# Altium PCB Digital_Optical.PcbDoc (part 2 of 3)
Units mm, origin at the board's own origin, x right, y up, seen from the top; angles counter-clockwise.
Board outline 155.98 x 100 mm, 2 copper layers (Top Layer, Bottom Layer); 402 components, 235 nets, 1241 pads, 390 vias.
Unrouted connection lines stored in the file: 44.
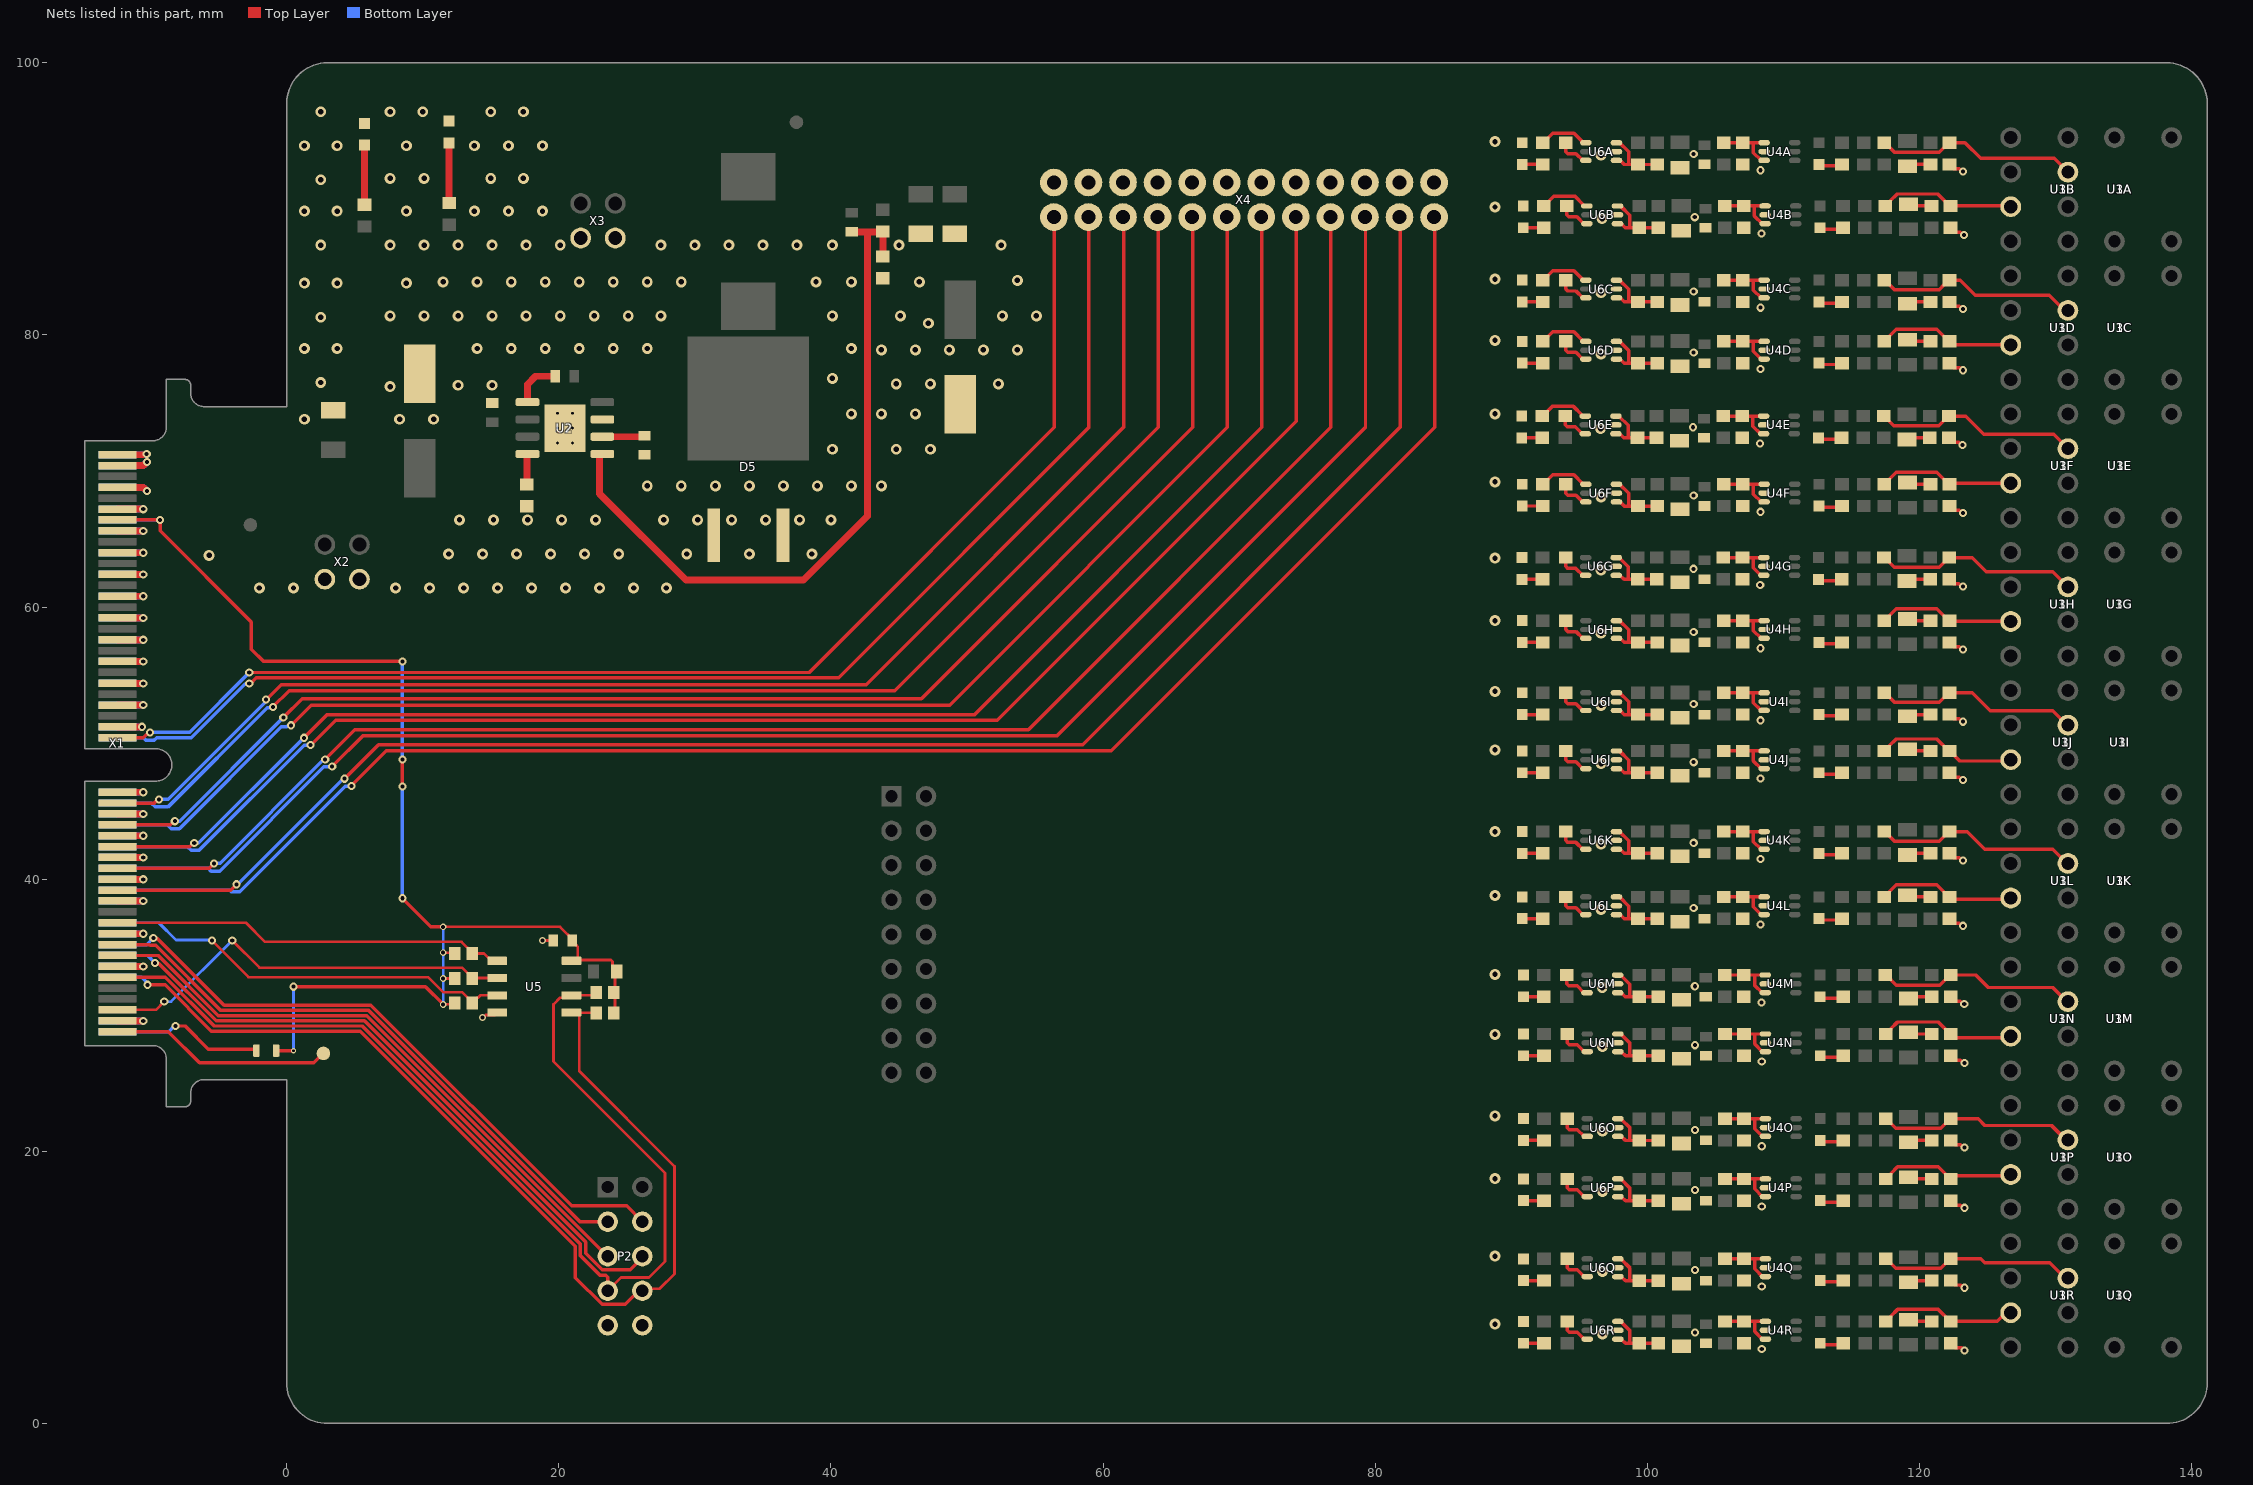
[diagram p2: the nets of this part, all layers, seen from the top]

## Part data
C1: library part C0603C104K9PACTU, "Capacitor 0603, 6.3 VDC, 100 nF, X5R", Device Package=0603, Manufacturer=KEMET, Operating Temperature="-55 - 85°C", Supplier Part Number 1=80-C0603C104K9P, Tolerance="10 %", Voltage Rating="6.3 VDC", Component Type="Capacitor 0603", ComponentLink1Description=Datasheet, ComponentLink1URL=https://www.mouser.de/datasheet/2/212/KEM_C1006_X5R_SMD-1103249.pdf, Created from=MGremer, Created On="20.12.2020 13:54:13", Last Updated="20.01.2021 13:57:36", Live Cycle Status=1, Manufacturer Part Number=C0603C104K9PACTU, Mounting Type=SMD, PartID=70, Series="SMD Comm X5R", Stock number="not stored", Supplier 1=Mouser, Type=Capacitor
C3 C5: library part C_ELKO_8x10, "ALUMINUM ELECTROLYTIC CAPACITOR", Dielectric=tbd, LCSC Part #=C311611, Package=8x10, Tolerance=20%, Voltage=35V, Created=2018_06_25_AGeiger, MPN=tbd, Supplier 1=tbd, Supplier Part Number 1=tbd
C4 C9A C9B C9C C9D C9E C9F C9G C9H C9I C9J C9K C9L C9M C9N C9O C9P C9Q C9R C13: library part C_0603, "CAP 0603 (1608 Metric) SMD", Case-EIA=0603, Case-Metric=1608, LCSC Part #=C14663, Rated Voltage="50 V", Tolerance=±5%, Created=2018_09_06_AGeiger, Max Thickness="1 mm", Package=0603, Technology=SMT
C6 C10 C12: library part C_1206, "Capacitor 1206", Dielectric=X5R, LCSC Part #=C13585, MPN=GMK316BJ106KL-T, Package=1206, Supplier Part Number 1=963-GMK316BJ106KL-T, Tolerance=10%, Voltage="35 V", Created=2018_06_25_AGeiger, MF="Taiyo Yuden", Supplier 1=Mouser
C7: library part C_0603, "CAP 0603 (1608 Metric) SMD", Case-EIA=0603, Case-Metric=1608, LCSC Part #=C57112, Rated Voltage="50 V", Tolerance=±5%, Created=2018_09_06_AGeiger, Max Thickness="1 mm", Package=0603, Technology=SMT
C8A C8B C8C C8D C8E C8F C8G C8H C8I C8J C8K C8L C8M C8N C8O C8P C8Q C8R: library part C_0805, "CAP 0805 (2012 Metric) SMD", Case-EIA=0805, Case-Metric=2012, Dielectric=X7R, LCSC Part #=C1779, MPN=LMF212B7475KGHT, Supplier Part Number 1=963-LMF212B7475KGHT, Tolerance=±10%, Voltage="10 V", Created=2018_09_06_AGeiger, Max Thickness="1 mm", MF="Taiyo Yuden", Package=0805, Supplier 1=Mouser, Technology=SMT
C11: library part C_0603, "CAP 0603 (1608 Metric) SMD", Case-EIA=0603, Case-Metric=1608, LCSC Part #=C1603, Rated Voltage="50 V", Tolerance=±5%, Created=2018_09_06_AGeiger, Max Thickness="1 mm", Package=0603, Technology=SMT
D2A D2B D2C D2D D2E D2F D2G D2H D2I D2J D2K D2L D2M D2N D2O D2P D2Q D2R D7: library part LED_Red_0603, "WL-SMCW SMD Mono-color Chip LED Waterclear, size 0603, Red, 2 V, 140°", Emitting Color=Red, Forward Voltage="2 V", LCSC Part #=C2286, Package=0603, Supplier Part Number 1=2322071, ComponentLink1Description=Manufacturer, ComponentLink1URL=http://www.we-online.de, ComponentLink2Description=Datasheet, ComponentLink2URL=http://katalog.we-online.com/led/datasheet/150060RS75000.pdf, Created=2018_09_06_AGeiger, Dominant Wavelength="625 nm", Luminous Intensity="250 mcd", MF="Wuerth Elektronik", MPN=150060RS75000, Peak Wavelength="630 nm", Published Date="Sep. 2017", Size=0603, Supplier 1=Farnell, Supplier 2=Mouser, Supplier 3=Digi-Key, Supplier Part Number 2=710-150060RS75000, Supplier Part Number 3=732-4978-1-ND, Viewing Angle=140°
D3A D3B D3C D3D D3E D3F D3G D3H D3I D3J D3K D3L D3M D3N D3O D3P D3Q D3R: library part LED_Green_0603, "WL-SMCW SMD Mono-color Chip LED Waterclear, size 0603, Green, 3.2 V, 140°", Emitting Color=Green, Forward Voltage="3.2 V", LCSC Part #=C965804, Package=0603, Supplier Part Number 1=2322070, ComponentLink1Description=Manufacturer, ComponentLink1URL=http://www.we-online.de, ComponentLink2Description=Datasheet, ComponentLink2URL=http://katalog.we-online.com/led/datasheet/150060GS75000.pdf, Created=2018_09_06_AGeiger, Dominant Wavelength="520 nm", Luminous Intensity="430 mcd", MF="Wuerth Elektronik", MPN=150060GS75000, Peak Wavelength="515 nm", Published Date="Sep. 2017", Size=0603, Supplier 1=Farnell, Supplier 2=Mouser, Supplier 3=Digi-Key, Supplier Part Number 2=710-150060GS75000, Supplier Part Number 3=732-4971-1-ND, Viewing Angle=140°
D5: library part STPS30L60CG-TR, "SCHOTTKY BARRIER DIODES (SBD) TO-263-2 ROHS", LCSC Part #=C181026, LCSC Part # 2=C172486, LCSC Part # 3=C180216, LCSC Part # 4=C213442, ComponentLink1Description=Manufacturer, ComponentLink1URL=STMicroelectronics, ComponentLink2Description=Datasheet
D6: library part LED_Blue_0603, "WL-SMCW SMD Mono-color Chip LED Waterclear, size 0603, Blue, 3.2 V, 140°", Emitting Color=Blue, Forward Voltage="3.2 V", LCSC Part #=C72041, Package=0603, Supplier Part Number 1=2322069, ComponentLink1Description=Manufacturer, ComponentLink1URL=http://www.we-online.de, ComponentLink2Description=Datasheet, ComponentLink2URL=http://katalog.we-online.com/led/datasheet/150060BS75000.pdf, Created=2018_09_06_AGeiger, Dominant Wavelength="470 nm", Luminous Intensity="145 mcd", MF="Wuerth Elektronik", MPN=150060BS75000, Peak Wavelength="465 nm", Published Date="Sep. 2017", Size=0603, Supplier 1=Farnell, Supplier 2=Mouser, Supplier 3=Digi-Key, Supplier Part Number 2=710-150060BS75000, Supplier Part Number 3=732-4966-1-ND, Viewing Angle=140°
L2: library part Inductor_2.2uH_13A, "POWER INDUCTORS 2.2UH ±20% 13A SMD,10.5X11.5X4.0MM ROHS", Current rated=6.25A, Current rated2=13A, LCSC Part2 #=C149550, LCSC Part #=C151872, Value2=2.2uH
Laser1: "Logo Laser Warning Sign"
LOGO1: "UltraZohm Logo on PCB", Created=Jan2021_Liegmann
P1: "Header, 9-Pin, Dual row", LatestRevisionDate=17-Jul-2002, LatestRevisionNote="Re-released for DXP Platform.", Publisher="Altium Limited"
P2: "Header, 5-Pin, Dual row", LatestRevisionDate=17-Jul-2002, LatestRevisionNote="Re-released for DXP Platform.", Publisher="Altium Limited"
R1A R1B R1C R1D R1E R1F R1G R1H R1I R1J R1K R1L R1M R1N R1O R1P R1Q R1R R2A R2B R2C R2D R2E R2F R2G R2H R2I R2J R2K R2L R2M R2N R2O R2P R2Q R2R R7A R7B R7C R7D R7E R7F R7G R7H R7I R7J R7K R7L R7M R7N R7O R7P R7Q R7R R8A R8B R8C R8D R8E R8F R8G R8H R8I R8J R8K R8L R8M R8N R8O R8P R8Q R8R R14A R14B R14C R14D R14E R14F R14G R14H R14I R14J R14K R14L R14M R14N R14O R14P R14Q R14R: library part R_0603_JLC, "SMD Resistor 0603", LCSC Part #=C21189, Package=0603, Power="100 mW", Supplier Part Number 1=71-CRCW06030000Z0EBC, Tolerance=1%, Voltage=75V, Created=2018_09_06_AGeiger, Supplier 1=Mouser
R3A R3B R3C R3D R3E R3F R3G R3H R3I R3J R3K R3L R3M R3N R3O R3P R3Q R3R: library part R_0603, "SMD Resistor 0603", LCSC Part #=C21189, MPN=CRCW06030000Z0EBC, Package=0603, Power="100 mW", Supplier Part Number 1=71-CRCW06030000Z0EBC, Tolerance=1%, Voltage=75V, Created=2018_09_06_AGeiger, MF=Vishay, Supplier 1=Mouser
R4 R12: library part R_0603_JLC, "SMD Resistor 0603", LCSC Part #=C22790, Package=0603, Power="100 mW", Tolerance=1%, Voltage=50V, Created=2018_09_06_AGeiger
R5: library part R_0603_JLC, "SMD Resistor 0603", LCSC Part #=C22797, Package=0603, Power="100 mW", Tolerance=1%, Voltage=50V, Created=2018_09_06_AGeiger
R6 R13A R13B R13C R13D R13E R13F R13G R13H R13I R13J R13K R13L R13M R13N R13O R13P R13Q R13R: library part R_0603_JLC, "SMD Resistor 0603", LCSC Part #=C23172, Package=0603, Power="100 mW", Tolerance=1%, Voltage=50V, Created=2018_09_06_AGeiger
R9A R9B R9C R9D R9E R9F R9G R9H R9I R9J R9K R9L R9M R9N R9O R9P R9Q R9R R10 R11A R11B R11C R11D R11E R11F R11G R11H R11I R11J R11K R11L R11M R11N R11O R11P R11Q R11R: library part R_0603, "SMD Resistor 0603", LCSC Part #=C23228, MPN=CR0603-FX-3901ELF, Package=0603, Power="100 mW", Supplier Part Number 1=652-CR0603-FX3901ELF, Tolerance=1%, Voltage=75V, Created=2018_09_06_AGeiger, MF=Bourns, Supplier 1=Mouser
R12A R12B R12C R12D R12E R12F R12G R12H R12I R12J R12K R12L R12M R12N R12O R12P R12Q R12R: library part R_0805, "SMD Resistor 0805", Case_EIA=0805, LCSC Part #=C17437, MPN=CR0805-FX-1200ELF, Power="125 mW", Supplier Part Number 1=652-CR0805FX-1200ELF*, Tolerance=1%, Voltage="150 V", MF=Bourns, Supplier 1=Mouser
R15 R16 R19: library part 0603WAF4701T5E, "SMD resistor E24 series", Device Package=0603, LCSC Part Number=C23162, Manufacturer=UNI-ROYAL, Tolerance=1%, Component Type="SMD resistor", ComponentLink1Description=Datasheet, ComponentLink1URL=https://datasheet.lcsc.com/lcsc/2206010116_UNI-ROYAL-Uniroyal-Elec-0603WAF4701T5E_C23162.pdf, Created from=AGeiger, Created On="14.12.2020 16:17:14", Last Updated="25.08.2022 20:03:04", Live Cycle Status=1, Manufacturer Part Number=0603WAF4701T5E, Mounting Type=SMD, PartID=90, Stock number="Labor SMD Container", Supplier 1=LCSC, Supplier Part Number 1=C23162, Type=Resistor
R17A R17B R17C R17D R17E R17F R17G R17H R17I R17J R17K R17L R17M R17N R17O R17P R17Q R17R R18A R18B R18C R18D R18E R18F R18G R18H R18I R18J R18K R18L R18M R18N R18O R18P R18Q R18R: library part R_0603, "SMD Resistor 0603", LCSC Part #=C22975, MPN=RC0603FR-072KL, Package=0603, Power="100 mW", Supplier Part Number 1=603-RC0603FR-072KL, Tolerance=1%, Voltage="75 V", Created=2018_09_06_AGeiger, MF=Yageo, Supplier 1=Mouser
R20 R21: library part RK73B1JTTD104J, "SMD resistor E24 series", Device Package=0603, LCSC Part Number=C25803, Manufacturer="KOA Speer", Supplier Part Number 1=660-RK73B1JTTD104J, Tolerance=5%, Component Type="SMD resistor", ComponentLink1Description=Datasheet, ComponentLink1URL=https://www.mouser.de/datasheet/2/219/RK73B-1825463.pdf, Created from=MGremer, Created On="14.12.2020 16:17:14", Last Updated="27.05.2022 14:04:10", Live Cycle Status=1, Manufacturer Part Number=RK73B1JTTD104J, Mounting Type=SMD, PartID=122, Stock number="Labor SMD Container", Supplier 1=Mouser, Type=Resistor
R22: library part UZgen_R_0603_1k, "Generic resistor", Device Package=0603, Manufacturer=UZgen, Tolerance="1 %", Created from=UZgenTool, Created On="02.07.2024 17:29:49", Last Updated="02.07.2024 17:29:49", Manufacturer Part Number=UZgen_R_0603_1k, Mounting Type=SMD, PartID=221
SB1: library part =Value, Device Package=0603, Component Type="Solder Bump", Created from=AGeiger, Created On="09.01.2024 17:13:56", Last Updated="09.01.2024 17:13:56", Manufacturer Part Number="Solder Bump 0603", Mounting Type=SMD, PartID=1, Revision="July-2002: Re-released for DXP Platform."
Serial1: library part SerialNumber, Created=2018_09_18_AGeiger
TP1: library part NULL, Component Type=Testpoint, Created=2018_06_25_AGeiger, Created from=AGeiger, Created On="20.09.2022 13:14:57", Last Updated="20.09.2022 13:15:39", Live Cycle Status=1, Manufacturer=NULL, Manufacturer Part Number=NULL, PartID=9, Supplier 1=NULL, Supplier Part Number 1=NULL, Type=Testpoint
U1A U1B U1C U1D U1E U1F U1G U1H U1I U1J U1K U1L U1M U1N U1O U1P U1Q U1R: library part HFBR-1521Z, "Fibre Optic Transmitters, Link Horiz 5MBd Tx RoHS", Foreward Current="60 mA", Supplier Part Number 1=630-HFBR-1521Z, Supply Voltage=5V, Created=2019_04_09_Kreppel, Data Rate="5 MBd", MF=Broadcom/Avago, MPN=HFBR-1521Z, Supplier 1=Mouser, Supplier 2=Digi-Key, Supplier Part Number 2=516-2043-ND, Wavelength="660 nm"
U2: library part LMR14050, "SIMPLE SWITCHER® 40-V, 5-A, 2.2-MHz step-down converter with 40-μA IQr", LCSC Part #=C155484, MPN=LMR14050SDDAR, Package=HSOIC-8, Supplier Part Number 1=595-LMR14050SDDAR, Created=2020_04_Kreppel, fSW="1 MHz", MF="Texas Instruments", Supplier 1=Mouser
U3A U3B U3C U3D U3E U3F U3G U3H U3I U3J U3K U3L U3M U3N U3O U3P U3Q U3R: library part HFBR-2528Z, "Fibre Optic Receivers, LINK HORIZ 5MBd RC VR RoHS", MPN=HFBR-2521Z, Suppier Part Number 2=516-2062-ND, Supplier Part Number 1=630-HFBR-2521Z, Supply Voltage=5V, Created=2019_04_09_Kreppel, Data Rate="5 MBd", Iout max="25 mA", MF=Boadcom/Avago, Supplier 1=Mouser, Supplier 2=Digi-Key, Wavelength="660 nm"
U4A U4B U4C U4D U4E U4F U4G U4H U4I U4J U4K U4L U4M U4N U4O U4P U4Q U4R U6A U6B U6C U6D U6E U6F U6G U6H U6I U6J U6K U6L U6M U6N U6O U6P U6Q U6R: library part SN74LVC2GU04DCKR, "This dual inverter is designed for 1.65-V to 5.5-V VCC / operation.", JLCSMT Rotation=180, LCSC Part #=C116660
U5: "2Kbit I2C SOP-8 EEPROM ROHS", Device Package=SOIC-8, LCSC Part Number=C7562, Manufacturer=STMicroelectronics, Operating Temperature="-40 to +85 °C", Supplier Part Number 1=511-M24C02-WMN6TP, Component Type=EEPROM, ComponentLink1Description=Datasheet, ComponentLink1URL=https://www.st.com/resource/en/datasheet/m24c01-w.pdf, Created from=AGeiger, Created On="19.11.2023 14:54:27", Last Updated="19.11.2023 21:39:04", Manufacturer Part Number=M24C02-WMN6TP, Mounting Type=SMD, PartID=1, Series=M24xxx, Supplier 1=Mouser, Supplier 2=LCSC, Supplier Part Number 2=C7562, Type=Memory
VCC VIN: library part TP_1mm, Created=2018_06_25_AGeiger
X1: "Mating Card Layout for HSEC8-150-01-XX-DV-A-BL", Manufacturer=SAMTEC, Created=2018_04_23_AGeiger
X2 X3: library part IPL1-102-XX-X-D-X, "2.54mm Double Row Terminal Assembly, Right-Angled", Manufacturer=SAMTEC, Created=2018_05_02_AGeiger, MPN=IPL1-102-01-L-D-K
X4: library part TST-112-01-G-D, "Double Row, 12 positions, Shrouded Terminal Header .100''", Supplier Part Number 1=200-TST11201GD, Created=2020_04_Kreppel, MF=Samtec, MPN=TST-112-01-G-D, Supplier 1=Mouser
?: Manufacturer=UltraZohm, Supplier Part Number 1=-, Component Type="Design Information", ComponentLink1Description=https://docs.ultrazohm.com/, ComponentLink1URL=homepage, Created from=MGremer, Created On="03.11.2021 09:04:23", Last Updated="15.04.2025 09:29:36", Live Cycle Status=1, Manufacturer Part Number="Design Information", PartID=12, Supplier 1=-, Type="Design Information"
?: library part ZC-Serial, Manufacturer=UltraZohm, Supplier Part Number 1=-, Component Type="ZC Serialnumber", ComponentLink1Description=https://docs.ultrazohm.com/, ComponentLink1URL=homepage, Created from=FRosner, Created On="15.04.2025 09:17:14", Last Updated="15.04.2025 09:17:14", Live Cycle Status=1, Manufacturer Part Number=ZC-Serial, PartID=58, Supplier 1=-, Type="Serial Number"

## Via types
v1: diameter 0.8, hole 0.4, Top Layer to Bottom Layer, tented both sides, 174 vias
v2: diameter 0.6, hole 0.3, Top Layer to Bottom Layer, tented both sides, 120 vias
v3: diameter 0.45, hole 0.2, Top Layer to Bottom Layer, tented both sides, 78 vias
v4: diameter 0.6, hole 0.3, Top Layer to Bottom Layer, 11 vias
v5: diameter 0.5, hole 0.3, Top Layer to Bottom Layer, 6 vias
v6: diameter 0.4, hole 0.2, Top Layer to Bottom Layer, 1 vias

## Nets (pads, with @x,y where several pads share a name; then routed paths per layer and width w, separated by ;. In a path a pad name is that pad's centre, name@x,y a point inside that pad or via, vN(x,y) a via of type N, cw(c..) or ccw(c..) an arc to the next point about the centre after c; other vN are vias at no path point)
3V3: C1.1 R15.2 R16.2 R19.2 R20.2 R21.2 R22.1 SB1.1 U5.8 X1.13 X1.14 | length 96
  Top Layer w0.2: v5(11.5,30.8) 12.262,30.8 R15.2@12.35,30.888 ; v5(11.5,32.7) 12.347,32.7 R16.2@12.35,32.697 ; v5(11.5,34.6) 12.297,34.6 R19.2@12.35,34.547 ; v5(11.5,36.5) 20.097,36.5 21.097,35.5 C1.1@21.097,35.4 ; U5.8@20.925,34.005 U5.8@21.001,34.081 ; C1.1@21,35.497 21,35.397 21.25,35.147 21.283,35.147 21.4,35.03 21.4,34.205 U5.8@21.263,34.068 ; U5.8@21.013,34.068 23.834,34.068 23.951,33.951 23.951,33.511 SB1.1@24.257,33.205 24.13,33.078 R21.2@24.13,31.688 ; R20.2@24.13,30.158 R21.2@24.13,31.688
  Top Layer w0.254: X1.13@-12.44,66.4 v4(-9.3,66.4) -9.3,65.6 -2.6,58.9 -2.6,56.9 -1.7,56 v4(8.5,56) ; R22.1@-0.77,27.4 v6(0.5,27.4) ; v4(0.5,32.1) 10.199,32.1 v5@11.499,30.8 ; v4(8.5,38.6) 10.6,36.5 v5(11.5,36.5) ; v4(8.5,46.8) v4(8.5,48.8)
  Bottom Layer w0.2: v5(11.5,30.8) v5(11.5,32.7) v5(11.5,34.6) v5(11.5,36.5)
  Bottom Layer w0.254: X1.14@-12.44,66.4 v4(-9.3,66.4) ; v6(0.5,27.4) v4(0.5,32.1) ; v4(8.5,38.6) v4(8.5,46.8) ; v4(8.5,48.8) v4(8.5,56)
AdapterCardOK: R22.2 X1.100 | length 11.1
  Top Layer w0.254: v2(-8.163,29.21) -7.465,29.21 -5.755,27.5 -2.33,27.5 R22.2@-2.23,27.4
  Bottom Layer w0.254: X1.100@-12.44,28.791 -8.676,28.791 -8.257,29.21 v2(-8.163,29.21)
ADDR_0: R19.1 U5.1 X1.79 | length 29.1
  Top Layer w0.2: X1.79@-12.44,36.8 -3,36.8 -1.6,35.4 12.847,35.4 13.65,34.597 R19.1@13.65,34.547 14.508,34.547 15.05,34.005 U5.1@15.475,34.005
ADDR_1: R16.1 U5.2 X1.95 | length 31.3
  Top Layer w0.2: X1.95@-12.44,30.4 -9.6,30.4 v4(-9,31) ; v4(-4,35.5) -2,33.5 12.897,33.5 13.65,32.747 R16.1@13.65,32.697 ; R16.1@13.65,32.647 R16.1@13.65,32.697 ; U5.2@15.475,32.735 13.688,32.735 R16.1@13.65,32.697
  Bottom Layer w0.2: v4(-9,31) -8.5,31 v4(-4,35.5)
ADDR_2: R15.1 U5.3 X1.80 | length 30.8
  Top Layer w0.2: v4(-5.5,35.5) -2.8,32.8 10.4,32.8 11.5,31.7 12.888,31.7 R15.1@13.65,30.938 ; R15.1@13.65,30.888 R15.1@13.65,30.938 ; U5.3@15.61,31.6 U5.3@15.475,31.465 14.227,31.465 14.05,31.288 14,31.288 R15.1@13.65,30.938
  Bottom Layer w0.2: X1.80@-12.44,36.8 -9.4,36.8 -8.138,35.538 -5.538,35.538 v4(-5.5,35.5)
CarrierReady: TP1.1 X1.99 | length 16.4
  Top Layer w0.254: X1.99@-12.44,28.791 -8.696,28.791 -6.405,26.5 2,26.5 TP1.1@2.7,27.2
DCPLD_DigIn_01: P2.3 X1.83 | length 44.5
  Top Layer w0.254: X1.83@-12.44,35.191 -10.092,35.191 -10.032,35.131 -9.637,35.131 -4.859,30.353 6.034,30.353 21.554,14.834 P2.3@23.597,14.834
DCPLD_DigIn_02: P2.5 X1.85 | length 45.2
  Top Layer w0.254: X1.85@-12.44,34.391 -9.436,34.391 -5.017,29.972 5.877,29.972 23.555,12.294 P2.5@23.597,12.294
DCPLD_DigOut_01: P2.4 X1.84 | length 47.4
  Top Layer w0.254: v2(-9.802,35.685) -9.736,35.619 -9.491,35.619 -4.607,30.734 6.192,30.734 20.938,15.989 24.982,15.989 P2.4@26.137,14.834
  Bottom Layer w0.254: X1.84@-12.44,35.191 -10.296,35.191 v2(-9.802,35.685)
DCPLD_DigOut_02: P2.6 X1.86 | length 49.1
  Top Layer w0.254: v2(-9.665,33.837) -9.599,33.771 -9.354,33.771 -5.175,29.591 5.719,29.591 21.971,13.339 21.971,12.499 23.181,11.29 25.26,11.29 26.137,12.167 P2.6@26.137,12.294
  Bottom Layer w0.254: X1.86@-12.44,34.391 -10.219,34.391 v2(-9.665,33.837)
DIG_IO_18: X1.53 X4.1 | length 93.8
  Top Layer w0.254: X1.53@-12.44,50.391 -10.527,50.391 -10.136,50.782 v2(-10.043,50.782) ; v2(-2.748,55.191) 38.411,55.191 56.42,73.2 56.42,88.62 X4.1@56.38,88.66
  Bottom Layer w0.254: v2(-10.043,50.782) -10.017,50.807 -7.132,50.807 v2(-2.748,55.191)
DIG_IO_19: X1.54 X4.3 | length 96.5
  Top Layer w0.254: v2(-2.748,54.381) -2.654,54.381 -2.236,54.8 40.56,54.8 58.96,73.2 58.96,88.62 X4.3@58.92,88.66
  Bottom Layer w0.254: X1.54@-12.44,50.391 -10.525,50.391 -10.362,50.228 -9.72,50.228 -9.556,50.391 -7.009,50.391 -3.085,54.315 -2.814,54.315 v2(-2.748,54.381)
DIG_IO_20: X1.57 X4.5 | length 100.9
  Top Layer w0.254: X1.57@-12.44,45.591 -9.748,45.591 -9.477,45.862 v2(-9.383,45.862) ; v2(-1.513,53.195) -0.408,54.3 42.6,54.3 61.5,73.2 61.5,88.62 X4.5@61.46,88.66
  Bottom Layer w0.254: v2(-9.383,45.862) -9.376,45.869 -8.702,45.869 -1.579,52.993 -1.579,53.129 v2(-1.513,53.195)
DIG_IO_21: X1.58 X4.7 | length 103.6
  Top Layer w0.254: v2(-1.016,52.664) 0.176,53.856 44.696,53.856 64.04,73.2 64.04,88.62 X4.7@64,88.66
  Bottom Layer w0.254: X1.58@-12.44,45.591 -9.937,45.591 -9.666,45.32 -9.646,45.341 -9.613,45.308 -8.725,45.308 -1.42,52.613 -1.067,52.613 v2(-1.016,52.664)
DIG_IO_22: X1.61 X4.9 | length 106.6
  Top Layer w0.254: X1.61@-12.44,43.991 -8.542,43.991 -8.271,44.262 v2(-8.22,44.262) ; v2(-0.247,51.88) 1.147,53.273 46.653,53.273 66.58,73.2 66.58,88.62 X4.9@66.54,88.66
  Bottom Layer w0.254: v2(-8.22,44.262) -7.865,44.262 v2(-0.247,51.88)
DIG_IO_23: X1.62 X4.11 | length 109.4
  Top Layer w0.254: v2(0.325,51.308) 1.814,52.797 48.717,52.797 69.12,73.2 69.12,88.62 X4.11@69.08,88.66
  Bottom Layer w0.254: X1.62@-12.44,43.991 -8.776,43.991 -8.493,43.708 -7.88,43.708 -0.397,51.191 0.004,51.191 0.054,51.242 0.259,51.242 v2(0.325,51.308)
DIG_IO_24: X1.65 X4.13 | length 112.3
  Top Layer w0.254: X1.65@-12.44,42.391 -7.112,42.391 -6.831,42.672 v2(-6.79,42.672) ; v2(1.27,50.391) 2.947,52.068 50.528,52.068 71.66,73.2 71.66,88.62 X4.13@71.62,88.66
  Bottom Layer w0.254: v2(-6.79,42.672) -6.449,42.672 v2(1.27,50.391)
DIG_IO_25: X1.66 X4.15 | length 114.8
  Top Layer w0.254: v2(1.759,49.852) 3.595,51.687 52.229,51.687 74.2,73.659 74.2,88.62 X4.15@74.16,88.66
  Bottom Layer w0.254: X1.66@-12.44,42.391 -7.293,42.391 -7.02,42.118 -6.442,42.118 1.277,49.837 1.744,49.837 v2(1.759,49.852)
DIG_IO_26: X1.69 X4.17 | length 118.1
  Top Layer w0.254: X1.69@-12.44,40.791 -5.689,40.791 v2(-5.332,41.148) ; v2(2.83,48.804) 4.999,50.973 54.513,50.973 76.74,73.2 76.74,88.62 X4.17@76.7,88.66
  Bottom Layer w0.254: v2(-5.332,41.148) -5.313,41.168 -4.897,41.168 2.739,48.804 v2(2.83,48.804)
DIG_IO_27: X1.70 X4.19 | length 120.8
  Top Layer w0.254: v2(3.344,48.29) 5.58,50.525 56.605,50.525 79.28,73.2 79.28,88.62 X4.19@79.24,88.66
  Bottom Layer w0.254: X1.70@-12.44,40.791 -5.759,40.791 -5.562,40.594 -4.932,40.594 2.724,48.25 3.304,48.25 v2(3.344,48.29)
DIG_IO_28: X1.73 X4.21 | length 123.8
  Top Layer w0.254: X1.73@-12.44,39.191 -4.116,39.191 v2(-3.683,39.624) ; v2(4.249,47.385) 6.747,49.883 58.503,49.883 81.82,73.2 81.82,88.62 X4.21@81.78,88.66
  Bottom Layer w0.254: v2(-3.683,39.624) -3.597,39.624 4.163,47.385 v2(4.249,47.385)
DIG_IO_29: X1.74 X4.23 | length 126.5
  Top Layer w0.254: v2(4.751,46.859) 7.321,49.429 60.589,49.429 84.36,73.2 84.36,88.62 X4.23@84.32,88.66
  Bottom Layer w0.254: X1.74@-12.44,39.191 -4.185,39.191 -4.064,39.07 -3.454,39.07 4.307,46.831 4.723,46.831 v2(4.751,46.859)
GND: C1.2 C3.2 C5.2 C6.1 C7.2 C8A.2 C8B.2 C8C.2 C8D.2 C8E.2 C8F.2 C8G.2 C8H.2 C8I.2 C8J.2 C8K.2 C8L.2 C8M.2 C8N.2 C8O.2 C8P.2 C8Q.2 C8R.2 C9A.2 C9B.2 C9C.2 C9D.2 C9E.2 C9F.2 C9G.2 C9H.2 C9I.2 C9J.2 C9K.2 C9L.2 C9M.2 C9N.2 C9O.2 C9P.2 C9Q.2 C9R.2 C10.1 C12.1 C13.1 D2A.1 D2B.1 D2C.1 D2D.1 D2E.1 D2F.1 D2G.1 D2H.1 D2I.1 D2J.1 D2K.1 D2L.1 D2M.1 D2N.1 D2O.1 D2P.1 D2Q.1 D2R.1 D5.1 D5.3 D6.1 D7.1 P2.9 P2.10 R3A.2 R3B.2 R3C.2 R3D.2 R3E.2 R3F.2 R3G.2 R3H.2 R3I.2 R3J.2 R3K.2 R3L.2 R3M.2 R3N.2 R3O.2 R3P.2 R3Q.2 R3R.2 R5.1 R12.1 R18A.1 R18B.1 R18C.1 R18D.1 R18E.1 R18F.1 R18G.1 R18H.1 R18I.1 R18J.1 R18K.1 R18L.1 R18M.1 R18N.1 R18O.1 R18P.1 R18Q.1 R18R.1 U2.7 U2.9 U4A.2 U4B.2 U4C.2 U4D.2 U4E.2 U4F.2 U4G.2 U4H.2 U4I.2 U4J.2 U4K.2 U4L.2 U4M.2 U4N.2 U4O.2 U4P.2 U4Q.2 U4R.2 U5.4 U6A.2 U6B.2 U6C.2 U6D.2 U6E.2 U6F.2 U6G.2 U6H.2 U6I.2 U6J.2 U6K.2 U6L.2 U6M.2 U6N.2 U6O.2 U6P.2 U6Q.2 U6R.2 X1.1 X1.2 X1.3 X1.4 X1.7 X1.8 X1.11 X1.12 X1.15 X1.16 X1.19 X1.20 X1.23 X1.24 X1.27 X1.28 X1.31 X1.32 X1.35 X1.36 X1.39 X1.40 X1.43 X1.44 X1.47 X1.48 X1.51 X1.52 X1.55 X1.56 X1.59 X1.60 X1.63 X1.64 X1.67 X1.68 X1.71 X1.72 X1.75 X1.76 X1.81 X1.82 X1.87 X1.88 X1.97 X1.98 X2.1 X2.2 X3.1 X3.2 X4.2 X4.4 X4.6 X4.8 X4.10 X4.12 X4.14 X4.16 X4.18 X4.20 X4.22 X4.24 | length 113.1
  Top Layer w0.2: v5(14.386,29.842) 14.452,29.842 14.632,30.022 15.302,30.022 U5.4@15.475,30.195 ; v5(18.8,35.5) 19.597,35.5 C1.2@19.6,35.497
  Top Layer w0.254: R3E.2@122.161,72.436 122.484,72.113 122.865,72.113 123.067,71.911 v2(123.161,71.911) ; R3G.2@122.186,62.036 122.509,61.713 122.89,61.713 123.092,61.511 v2(123.186,61.511) ; R3L.2@122.2,37.1 122.523,36.777 122.904,36.777 123.106,36.575 v2(123.2,36.575) ; R3K.2@122.2,41.9 122.523,41.577 122.904,41.577 123.106,41.375 v2(123.2,41.375) ; R3J.2@122.2,47.825 122.523,47.502 122.904,47.502 123.106,47.3 v2(123.2,47.3) ; R3I.2@122.2,52.1 122.523,51.777 122.904,51.777 123.106,51.575 v2(123.2,51.575) ; R3H.2@122.2,57.4 122.523,57.077 122.904,57.077 123.106,56.875 v2(123.2,56.875) ; R3F.2@122.2,67.425 122.523,67.102 122.904,67.102 123.106,66.9 v2(123.2,66.9) ; R3D.2@122.2,77.925 122.523,77.602 122.904,77.602 123.106,77.4 v2(123.2,77.4) ; R3C.2@122.2,82.425 122.523,82.102 122.904,82.102 123.106,81.9 v2(123.2,81.9) ; R3A.2@122.2,92.525 122.523,92.202 122.904,92.202 123.106,92 v2(123.2,92) ; R3B.2@122.275,87.875 122.598,87.552 122.979,87.552 123.181,87.35 v2(123.275,87.35) ; R3M.2@122.283,31.358 122.606,31.035 122.987,31.035 123.189,30.833 v2(123.283,30.833) ; R3R.2@122.3,5.9 122.623,5.577 123.098,5.577 v2(123.3,5.375) v2@123.206,5.375 ; R3Q.2@122.3,10.5 122.623,10.177 123.004,10.177 123.206,9.975 v2(123.3,9.975) ; R3P.2@122.3,16.375 122.623,16.052 123.004,16.052 123.206,15.85 v2(123.3,15.85) ; R3O.2@122.3,20.8 122.623,20.477 123.004,20.477 123.206,20.275 v2(123.3,20.275) ; R3N.2@122.3,27.025 122.623,26.702 123.004,26.702 123.206,26.5 v2(123.3,26.5)
  Top Layer w0.508: X1.97@-12.44,29.591 v2(-10.541,29.591) ; X1.87@-12.44,33.591 v2(-10.541,33.591) v2@-10.477,33.591 ; X1.81@-12.44,35.991 v2(-10.541,35.991) ; X1.75@-12.44,38.391 v2(-10.541,38.391) ; X1.71@-12.44,39.991 v2(-10.541,39.991) ; X1.67@-12.44,41.591 v2(-10.541,41.591) ; X1.63@-12.44,43.191 v2(-10.541,43.191) ; X1.59@-12.44,44.791 v2(-10.541,44.791) ; X1.55@-12.44,46.391 v2(-10.541,46.391) ; X1.47@-12.44,52.791 v2(-10.541,52.791) ; X1.43@-12.44,54.391 v2(-10.541,54.391) ; X1.39@-12.44,55.991 v2(-10.541,55.991) ; X1.35@-12.44,57.591 v2(-10.541,57.591) ; X1.31@-12.44,59.191 v2(-10.541,59.191) ; X1.27@-12.44,60.791 v2(-10.541,60.791) ; X1.23@-12.44,62.391 v2(-10.541,62.391) ; X1.19@-12.44,63.991 v2(-10.541,63.991) ; X1.15@-12.44,65.591 v2(-10.541,65.591) ; X1.11@-12.44,67.191 v2(-10.541,67.191) ; X1.7@-12.44,68.791 -10.541,68.791 v2(-10.266,68.516) ; X1.3@-12.44,70.391 -10.541,70.391 v2(-10.266,70.666) ; X1.1@-12.44,71.191 v2@-10.541,71.191 ; X1.51@-12.433,51.198 -12.432,51.199 -10.64,51.199 v2(-10.639,51.198)
  Bottom Layer w0.508: X1.98@-12.44,29.591 v2(-10.541,29.591) ; X1.88@-12.44,33.591 v2(-10.541,33.591) ; X1.82@-12.44,35.991 v2(-10.541,35.991) ; X1.76@-12.44,38.391 v2(-10.541,38.391) ; X1.72@-12.44,39.991 v2(-10.541,39.991) ; X1.68@-12.44,41.591 v2(-10.541,41.591) ; X1.64@-12.44,43.191 v2(-10.541,43.191) ; X1.60@-12.44,44.791 v2(-10.541,44.791) ; X1.56@-12.44,46.391 v2(-10.541,46.391) ; X1.48@-12.44,52.791 v2(-10.541,52.791) ; X1.44@-12.44,54.391 v2(-10.541,54.391) ; X1.40@-12.44,55.991 v2(-10.541,55.991) ; X1.36@-12.44,57.591 v2(-10.541,57.591) ; X1.32@-12.44,59.191 v2(-10.541,59.191) ; X1.28@-12.44,60.791 v2(-10.541,60.791) ; X1.24@-12.44,62.391 v2(-10.541,62.391) ; X1.20@-12.44,63.991 v2(-10.541,63.991) ; X1.16@-12.44,65.591 v2(-10.541,65.591) ; X1.12@-12.44,67.191 v2(-10.541,67.191) ; X1.8@-12.44,68.791 -10.541,68.791 v2(-10.266,68.516) ; X1.4@-12.44,70.391 -10.541,70.391 v2(-10.266,70.666) ; X1.2@-12.44,71.191 -10.343,71.191 v2(-10.287,71.247) ; X1.52@-12.433,51.198 -12.432,51.199 -10.64,51.199 v2(-10.639,51.198)